# Altium PCB cheriot-test.PcbDoc (part 12 of 12) (continued)
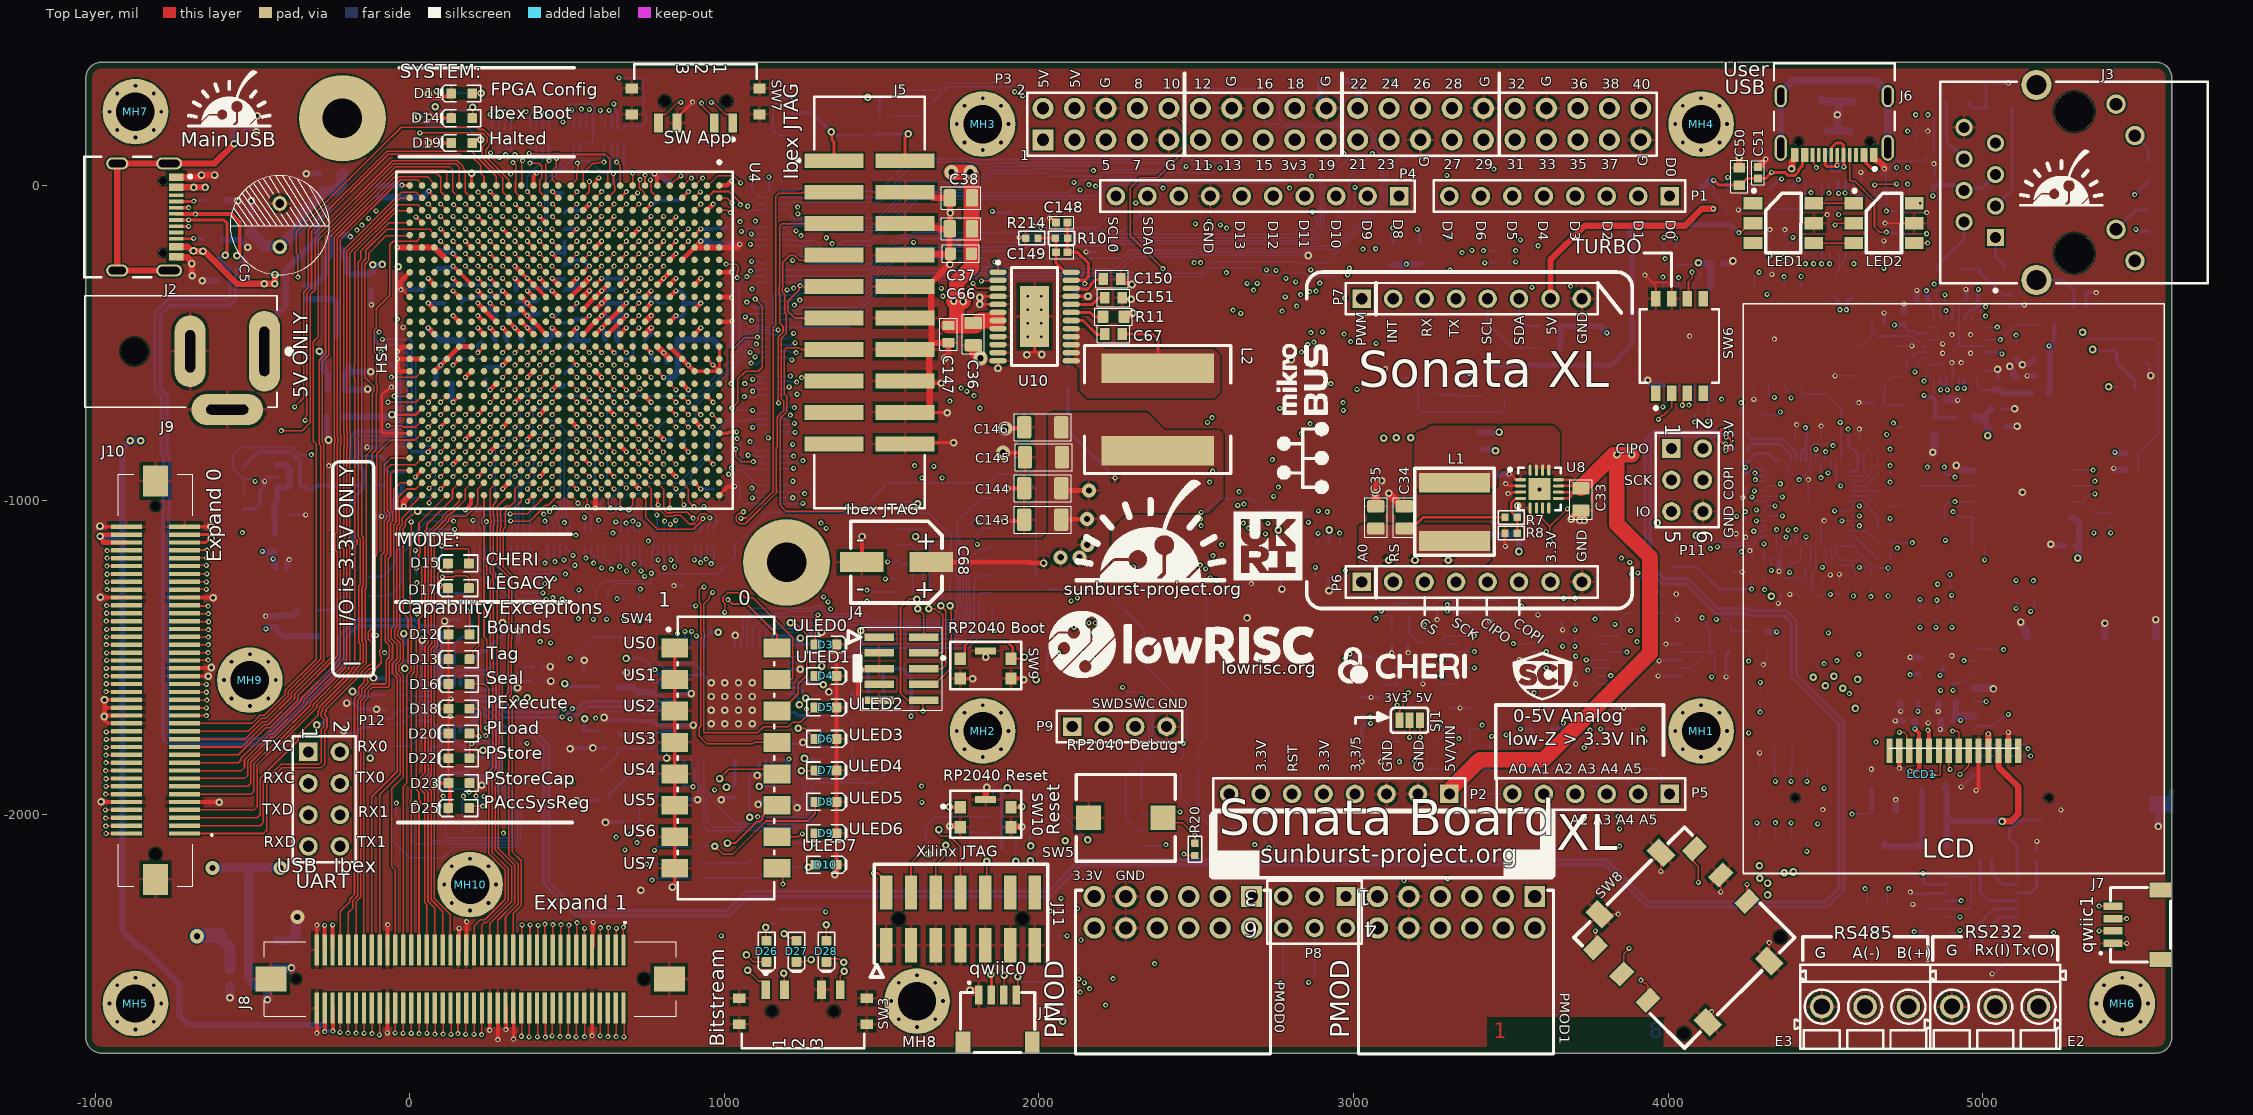
[diagram p0: Top Layer view]
## Nets (pads, with @x,y where several pads share a name; then routed paths per layer and width w, separated by ;. In a path a pad name is that pad's centre, name@x,y a point inside that pad or via, vN(x,y) a via of type N, cw(c..) or ccw(c..) an arc to the next point about the centre after c; other vN are vias at no path point) (continued)
  Int6 (Sign) w25: 495,-230 495,-11.37 639.37,133 993,133 1163.5,303.5 1380.5,303.5 1718,-34 2000.05,-34 2054.77,-88.73 2611.73,-88.73 2635.92,-112.92 2635.92,-321.94 2644.72,-330.74 2766,-452 2766,-582 2986.12,-802.12 3096,-802.12 v2(3135.96,-802.12) v2(3181.96,-802.12)
  Bottom Layer w5: U13.9@4615.55,-212.13 4642.49,-212.13 4668.39,-238.03 C53.1@4685.98,-238.03 v1(4685.98,-263.63) ; v1(4760.8,57.21) 4760.8,56.58 4765.67,51.71 4765.67,50.24 R30.2@4765.67,32.4 ; v1(4760.84,4.56) 4760.84,4.22 4765.67,-0.61 4765.67,-2.07 R32.2@4765.67,-19.92 ; U6.25@4844.64,-426.41 4844.64,-397.51
  Bottom Layer w8: C133.1@4825.53,-361.53 4834.13,-370.13 4834.13,-386.99 4844.64,-397.51
  Bottom Layer w10: C132.1@4750.98,-439.92 4750.98,-448.98 4765.64,-463.63 4783.24,-463.63 4790.31,-470.71 U6.23@4820.03,-470.71 ; U6.30@4943.07,-426.41 4943.07,-415.8 4948.04,-410.82 4948.04,-409.12 4966.66,-390.51 4978.24,-390.51 4984.09,-384.65 C131.1@4984.09,-359.92 ; U6.5@5007.05,-529.76 5055.83,-529.76 v1(5060.98,-534.92)
  Bottom Layer w12: -270.77,-2668.23 -270.77,-2688.23 v1(-270,-2689) ; v1@-268.77,-2687.23 -244.77,-2687.23 v1(-244,-2688) ; v1@610,-297 611.72,-295.28 v1(688.98,-295.28) ; v1(767.72,-531.5) 768.48,-532.26 768.48,-548.48 774.11,-554.11 774.11,-557.4 778.71,-562 C18.1@782,-562 ; v1@773,-59 784.76,-47.24 C20.1@826.77,-47.24 858.27,-47.24 884.52,-20.99 884.52,-20.52 v1@884,-20 ; v1@925,-136 925,-136.52 927.04,-138.56 961.29,-138.56 C15.1@962.66,-139.93 966.41,-136.19 1002.81,-136.19 C19.1@1009,-130 ; v1(4718.94,-443.4) 4719.7,-442.64 4744.79,-442.64 C132.1@4749.31,-438.11 ; C131.1@4984.09,-359.92 4984.09,-332.89 4985.98,-331 v1(4985.98,-329.92)
  Bottom Layer w15: v1@337,-298 337.79,-298.79 C16.1@337.79,-332.87 ; C17.1@492.13,-333.07 495.42,-329.78 521.21,-329.78 530,-320.99 530,-303 v1@531,-302 ; v1(5210.98,-509.92) 5210.98,-509.65 5226.77,-493.86 R211.1@5226.77,-442.6
  Bottom Layer w20: v2@-982,-1118 -932,-1118 -914,-1136 ; v2(-855,-811) v2(-888,-811) -914,-837 -914,-1136 ; -270.77,-2668.23 -701.77,-2668.23 -732,-2638 -732,-2539 -848,-2423 -860,-2423 -914,-2369 -914,-1136 ; v1(4820.87,-334.27) 4822.93,-336.33 4822.93,-358.94 C133.1@4825.53,-361.53 ; L8.1@5209.72,-659.92 5209.72,-654.41 5213.54,-650.59 C123.1@5213.54,-554.92 5213.54,-512.48 v1(5210.98,-509.92)
VCC_1V8A: C124.1 C128.1 L8.2 U6.9 | length 204.1
  Bottom Layer w5: U6.9@4982.44,-613.43 4982.44,-636.38 4995.98,-649.92 5034.76,-649.92
  Bottom Layer w20: 5034.76,-649.92 5049.09,-649.92 C128.1@5050.98,-648.03 5062.87,-659.92 L8.2@5152.24,-659.92
VCCINT: C6.1 C7.1 C8.1 C9.1 C10.1 C11.1 C12.1 C13.1 C68.1 C143.1 C144.1 C145.1 C146.1 C159.1 C160.1 C161.1 L2.2 R9.1 U4.J11 U4.J13 U4.K10 U4.K12 U4.L11 U4.L13 U4.M10 U4.N13 U4.P10 U4.R13 U4.T10 U4.T12 U4.U11 U4.U13 U4.V10 U4.V12 U4.W13 | length 2406.3
  Top Layer w15: v1(255.91,-452.76) U4.W13@275.59,-472.44 ; v1(295.28,-334.65) U4.V10@314.96,-354.33 ; U4.V12@314.96,-433.07 v1(334.65,-452.76) U4.U13@354.33,-472.44 ; U4.U11@354.33,-393.7 v1(374.02,-413.39) U4.T12@393.7,-433.07 U4.R13@433.07,-472.44 ; v1(374.02,-334.65) U4.T10@393.7,-354.33 ; v1(452.5,-334.65) 452.63,-334.65 472.31,-354.33 U4.P10@472.44,-354.33 ; U4.N13@511.81,-472.44 v1(531.5,-452.76) ; U4.L13@590.55,-472.44 v1(610.24,-452.76) v1(688.98,-374.02) ; U4.L11@590.55,-393.7 v1(610.24,-374.02) U4.K10@629.92,-354.33 ; U4.J13@669.29,-472.44 v1(688.98,-452.76) ; C68.1@1657.36,-1197.13 1973,-1197.13 1975.87,-1200 v2(2015,-1200) ; C143.1@2071.18,-1062.13 2072.31,-1061 v4@2150,-1061 ; C144.1@2071.18,-962.13 2078.7,-969.65 v4(2158.92,-969.65)
  Top Layer w20: U4.M10@551.18,-354.33 v1(570.87,-334.65)
  Bottom Layer w10: C13.1@100.56,-318 128.99,-318 130.34,-316.65 277.28,-316.65 294.63,-334 v1@296,-334 ; v1@688,-374 v1(688.98,-374.02) 706.98,-356.02 775.17,-356.02 785.72,-366.56 785.72,-368.16 791.57,-374.02 C12.1@816.58,-374.02 ; R9.1@2092.13,-645.59 2092.13,-779.13 v1(2242,-929)
  Bottom Layer w12: C161.1@165.35,-374.02 165.35,-370.08 174.12,-361.31 202.37,-361.31 210.04,-353.65 276.28,-353.65 v1(295.28,-334.65) ; v1@374,-336 374,-335.74 384.21,-325.53 C9.1@410.48,-325.53 443.53,-325.53 v1@454,-336 ; C10.1@491.99,-518.4 517.39,-493 530.45,-493 544,-493
  Bottom Layer w15: v1@254,-450 268.16,-464.16 268.16,-487.94 C7.1@273.26,-493.04 ; v1@335,-456 337,-456 352.48,-471.48 352.48,-486.57 C160.1@359.75,-493.83 ; v1@374,-412 376.41,-409.59 407.16,-409.59 C6.1@411.51,-405.24 ; 530.45,-493 530.45,-454.07 531.3,-453.22 v1@531.17,-453.08 ; 544,-493 568.42,-493 C8.1@570.87,-490.55 ; v1(610.24,-452.76) 610.24,-453.03 618.77,-461.56 618.77,-487.77 C159.1@622,-491 ; v1@613,-375 613.98,-374.02 v1@688,-374.02
  other v4: 2069,-1182 2129,-1182 2154,-1142 2153,-1060
VCCINT_SCL: R216.2 U10.3 U11.30 | length 6185.2
  Top Layer w5: v1(1791,-311) 1791,-313.98 1797.78,-320.76 1797.78,-322.6 1801.32,-326.14 1869.44,-326.14 U10.3@1870.08,-326.77
  Int1 (Sign) w5: v1(1791,-311) 1791,-174 1930,-35 1930,101.71 1933.09,104.8 1933.09,258.91 1911,281 1911,286 v1(1923,298)
  Int6 (Sign) w5: v1(1923,298) 1923,318 1951.75,346.75 ; 1952,346.5 3897.91,346.5 3908.41,336 3909,336 3992.89,252.11 3992.89,106.25 4090,9.14 4090,-44 4143.93,-97.93 4151.07,-97.93 4250.14,-197 4574.27,-197 4580.14,-202.86 4640.98,-263.71 4640.98,-1088.05 4583.03,-1146 4507.1,-1146 4452.05,-1201.05 ; v1(4134,-1154) 4134,-1217 4288,-1371 4405,-1371 4453,-1323 4453,-1202
  Bottom Layer w5: R216.2@1532.81,221.13 1617.13,221.13 1710,314 1902,314 1903.98,312.02 1908.98,312.02 v1(1923,298) ; v1(4134,-1154) 4131.9,-1151.9 4131.9,-1146.75 4131.07,-1145.93 4143.84,-1133.16 4175.48,-1133.16 4180.98,-1138.66 4206.4,-1138.66 4210.14,-1134.92 4258,-1134.92 4285.93,-1107 4285.93,-1105.88 4290.32,-1101.48 4293.05,-1101.48 4297.36,-1097.17 U11.30@4310.16,-1097.17
VCCINT_SDA: R215.2 U10.2 U11.29 | length 6014.8
  Top Layer w5: v1(1817,-303) 1817.91,-302.09 1869.17,-302.09 U10.2@1870.08,-301.18
  Int1 (Sign) w5: v1(1817,-303) 1817,-179 1948,-48 v1(1948,285)
  Int6 (Sign) w5: v1@1947,287 1948,288 1948,316 1959,327 3110.08,327 3121.58,315.5 3134.42,315.5 3135.95,317.03 3913.24,317.03 3982.89,247.37 3982.89,102.11 4079.65,5.35 4079.65,-40.65 4080,-41 4080,-48.14 4186.79,-154.93 4193.93,-154.93 4246.06,-207.06 4570.19,-207.06 4630.98,-267.85 4630.98,-1083.91 4578.89,-1136 4501.83,-1136 4442.91,-1194.91 ; v1(4156.48,-1148.66) 4155.98,-1149.16 4155.98,-1219.98 4296,-1360 4397,-1360 4442,-1315 4442,-1194.91
  Bottom Layer w5: R215.2@1532.81,281.13 1554.69,303 1684.86,303 1707.86,326 1934,326 1948,312 1948,288 v1@1949,287 ; v1(4156.48,-1148.66) 4210.54,-1148.66 4214.28,-1144.92 4265.36,-1144.92 4295.93,-1114.36 4308.72,-1114.36 U11.29@4310.16,-1112.92
VCCOPAMP: C97.1 C99.1 C101.1 C102.1 R82.2 U20.4 U21.4 U21.10 U21.12 | length 2066.9
  Int3 (Sign) w20: v1(3279.44,-1507.29) 3419.52,-1507.29 3442.52,-1530.29 3582.59,-1530.29 3603,-1509.88 3616.87,-1509.88 3630.54,-1496.21 v1(3705.98,-1496.21) 3785.92,-1496.21 ; v1(4107.98,-1373.92) 4082.17,-1348.11 3833.07,-1348.11 3797.64,-1383.54 3797.64,-1484.5 3785.92,-1496.21 ; v1(4137.87,-1562.11) 4036.4,-1562.11 4006.3,-1592.2 3915.75,-1592.2 3819.75,-1496.21 3785.92,-1496.21
  Bottom Layer w5: v1(3190.98,-1527.92) 3193.96,-1527.92 3199.76,-1522.13 C97.1@3220.17,-1522.13 3264.6,-1522.13 v1(3279.44,-1507.29) U20.4@3331.81,-1507.29 ; C99.1@3705.98,-1521.81 v1(3705.98,-1496.21) ; v1(3739.63,-1507.77) U21.4@3812.56,-1507.77 ; U21.12@4040.91,-1533.36 4073.39,-1533.36 4110.53,-1496.22 4126.49,-1496.22 4138.76,-1483.95 C101.1@4138.76,-1480.02 ; U21.10@4040.91,-1482.18 4136.6,-1482.18 C101.1@4138.76,-1480.02 ; v1(4107.98,-1373.92) 4121.73,-1387.67 4121.73,-1405.18 R82.2@4132.52,-1415.97 4132.52,-1473.78 C101.1@4138.76,-1480.02 ; v1(4137.87,-1562.11) 4140.69,-1562.11 4147.87,-1554.92 4147.87,-1489.13 C101.1@4138.76,-1480.02
VCCUSB3V3: C40.1 C41.1 C42.1 C43.1 C44.1 C45.1 C46.1 R15.1 R18.1 R72.2 R203.2 R215.1 R216.1 U2.2 U2.4 U12.1 U12.9 U12.18 | length 15858.7
  Int1 (Sign) w8: v4(-411,-2169) -464,-2169 -492,-2197 -492,-2393 -475,-2410 -291,-2410 -93,-2608 741,-2608 847,-2714 1771,-2714 1907,-2578 2120.96,-2578 2123.96,-2581 2138.04,-2581 2141.04,-2578 4308,-2578 4463,-2423 4463,-2287 4572,-2178 4738,-2178 4827,-2267 4827,-2362 4849.8,-2384.8 5000.2,-2384.8 5008,-2377 5008,-2155 4426,-1573 4426,-1529.04 4526,-1429.04 4526,-1391 4483.29,-1348.29 4332.98,-1348.29 4328.29,-1343.6 v2(4328.29,-1305.74)
  Int6 (Sign) w5: v2@1460,284 1504,328 1866,328 1928.02,265.98 1930,264 1960,264 2001.5,305.5 3138.56,305.5 3140.09,307.03 3723.24,307.03 3769.1,261.17 3769.1,231.16 3804.09,196.16 3834.1,196.16 3872.03,158.24 3872.03,105.06 3959.06,18.03 3959.06,-68.58 3978.74,-88.27 4098.98,-88.27 4268.53,-257.81 4268.53,-278.54 4329.87,-339.87 4329.87,-456.4 4353.38,-479.91 4353.38,-687.52 4356.48,-690.63 v1(4356.48,-719.92)
  Int6 (Sign) w8: v2(4328.29,-1305.74) 4328.55,-1305.74 4345.39,-1288.9 4351.05,-1288.9 4418,-1221.95 4418,-1187 4478.98,-1126.02 4478.98,-1013.02 4525.23,-966.77 4525.23,-900.91 4515.31,-891 4475,-891 4356.48,-772.48 v1(4356.48,-719.92)
  Int6 (Sign) w10: v4@-415,-2170 -411,-2166 -410,-2165 -410,-1764
  Int6 (Sign) w30: -41,-1813 -15,-1787 v2(-15,-1535)
  Int6 (Sign) w35: v4(-411,-2169) -411,-2166 -411,-1765 -410,-1764 -354,-1708 v2@-296,-1708 ; v2(-295.16,-1714.84) -285.84,-1714.84 -256,-1685 -155,-1685 -126,-1714 v2@-126,-1820 ; v2(-125,-1820) 199,-1820 ; 201,-1820 208,-1820 v2(233.14,-1794.86) 270.14,-1794.86 337,-1728 337,-1637 v2@333,-1633
  Bottom Layer w5: R15.1@4298.74,-728.43 4354.5,-728.43 4354.5,-721.9 v1(4356.48,-719.92)
  Bottom Layer w8: C43.1@37.97,-1512.03 37.97,-1598.28 42.65,-1602.97 U12.18@57.09,-1602.97 ; U12.1@205.89,-1602.97 C44.1@276.89,-1602.97 ; C44.1@276.89,-1605 276.89,-1626.89 303.54,-1653.54 R203.2@331.46,-1653.54 ; R203.2@334.65,-1653.54 335.72,-1652.47 335.72,-1631.82 v2(336.79,-1630.75) ; v2(1456,280) 1457.13,281.13 R215.1@1493.44,281.13 ; R216.1@1493.44,221.13 1493.44,278.44 R215.1@1495,280
  Bottom Layer w10: v2(-295.16,-1714.84) -291.37,-1714.84 -286.21,-1709.69 -276.18,-1709.69 -263.46,-1696.97 R72.2@-263.46,-1695 ; v2(-125,-1820) -121.34,-1816.34 R18.1@-121.34,-1782.13 ; v2(-15,-1535) -15,-1512.97 C42.1@-16.08,-1511.9 -14.59,-1510.41 34.59,-1510.41 C43.1@35,-1510 ; U12.9@141.61,-1726.29 141.61,-1761.61 160,-1780 170,-1780 176.42,-1786.42 176.42,-1806.42 C46.1@180,-1810 ; C46.1@182.13,-1814.02 184.9,-1816.79 C45.1@233.14,-1816.79 ; v2(233.14,-1794.86) C45.1@233.14,-1816.79 ; C45.1@233.21,-1816.79 C45.1@233.14,-1816.79 ; C45.1@234,-1819.44 233.14,-1818.58 C45.1@233.14,-1816.79
  Bottom Layer w30: v4(-627,-2169) U2.4@-511.81,-2169 ; U2.2@-511.81,-2403.81 -511.81,-2519.92 C40.1@-486.77,-2544.96 ; U2.2@-511.81,-2398.62 -511.81,-2180.81 U2.4@-511,-2180 ; U2.4@-511,-2169 -425,-2169 v4@-424,-2168
XADC_VREF_N: C60.2 C140.2 R195.2 U4.N11 | length 1556.7
  Top Layer w6: U4.N11@511.81,-393.7 v1(531.5,-374.02)
  Int3 (Sign) w6: v1@-87,-488 486,-488 504,-470 504,-401.51 v1(531.5,-374.02)
  Bottom Layer w8: v1(-87,-489) 1.31,-489 6,-493.69 6,-810.31 1.31,-815 -20.82,-815 -25.68,-810.14 -149.45,-810.14 -159,-819.69 -159,-852 -150,-861 -91,-861 -77.91,-874.09 C60.2@-77.91,-901.66 -69.31,-910.26 -48.2,-910.26 -47.46,-911 R195.2@-16,-911 ; C140.2@520.54,-396.18 529,-387.72 v1@529,-377
XADC_VREF_P: C60.1 C140.1 U4.P12 U14.2 | length 1544
  Top Layer w8: v1(452.5,-413.39) 452.63,-413.39 472.31,-433.07 U4.P12@472.44,-433.07
  Int3 (Sign) w6: v1@-101,-466 v1(-97,-466) -94.29,-466 -87.29,-473 -80.37,-473 -76.37,-477 468,-477 481,-464 481,-420 474.39,-413.39 v1(452.5,-413.39)
  Bottom Layer w8: C60.1@-115,-905 -115,-935 -96.18,-953.82 U14.2@-73.65,-953.82 ; C60.1@-114.13,-901.66 -114.13,-879.87 -120,-874 -158,-874 -172,-860 -172,-806.69 -162.45,-797.14 -20.3,-797.14 -18.31,-799.12 -11.69,-799.12 -7,-794.43 -7,-528 -29,-506 -101.31,-506 -106,-501.31 -106,-475 v1(-97,-466) ; v1@451,-415 451.23,-414.77 465.73,-414.77 C140.1@484.32,-396.18
pads on no net: C33.0 C34.0 C35.0 C36.0 C37.0 C38.0 C66.0 C143.0 C144.0 C145.0 C146.0 D3.0 D4.0 D5.0 D6.0 D7.0 D8.0 D9.0 D10.0 D11.0 D12.0 D13.0 D14.0 D15.0 D16.0 D17.0 D18.0 D19.0 D20.0 D22.0 D23.0 D25.0 D26.0 D27.0 D28.0 HS1.MH1 HS1.MH2 J1.5 J1.6 J2. J2.A8 J2.B8 J3. J3.7 J4.7 J5.17 J5.19 J6. J6.A8 J6.B8 J7.5 J7.6 J8.MH1 J8.MH2 J9.None J10.MH1 J10.MH2 J11.12 J11.14 J11.MH1 J11.MH2 LCD1.1 LCD1.14 LCD1.MH1 LCD1.MH2 LED1.1 LED1.3 MH1.1 MH2.1 MH3.1 MH4.1 MH5.1 MH6.1 MH7.1 MH8.1 MH9.1 MH10.1 P2.8 P4.8 R1.0 R2.0 R3.0 R4.0 R5.0 R6.0 R7.0 R8.0 R9.0 R10.0 R11.0 R12.0 R13.0 R14.0 R15.0 R16.0 R17.0 R18.0 R19.0 R20.0 R21.0 R22.0 R23.0 R24.0 R25.0 R26.0 R27.0 R28.0 R29.0 R30.0 R31.0 R32.0 R33.0 R34.0 R35.0 R36.0 R37.0 R38.0 R39.0 R40.0 R41.0 R42.0 R43.0 R44.0 R45.0 R46.0 R47.0 R48.0 R49.0 R50.0 R51.0 R52.0 R53.0 R54.0 R55.0 R56.0 R57.0 R58.0 R59.0 R60.0 R61.0 R62.0 R63.0 R64.0 R65.0 R66.0 R67.0 R68.0 R69.0 R70.0 R71.0 R72.0 R73.0 R74.0 R75.0 R76.0 R77.0 R78.0 R79.0 R80.0 R81.0 R82.0 R83.0 R84.0 R85.0 R86.0 R87.0 R88.0 R89.0 R90.0 R91.0 R92.0 R93.0 R94.0 R95.0 R96.0 R97.0 R98.0 R99.0 R100.0 R101.0 R102.0 R103.0 R104.0 R105.0 R106.0 R107.0 R108.0 R109.0 R110.0 R111.0 R112.0 R113.0 R114.0 R115.0 R116.0 R117.0 R118.0 R119.0 R120.0 R121.0 R122.0 R123.0 R124.0 R125.0 R126.0 R127.0 R128.0 R129.0 R130.0 R131.0 R132.0 R133.0 R134.0 R135.0 R136.0 R137.0 R138.0 R139.0 R140.0 R141.0 R142.0 R143.0 R144.0 R145.0 R146.0 R147.0 R148.0 R149.0 R150.0 R151.0 R153.0 R154.0 R155.0 R156.0 R157.0 R158.0 R159.0 R160.0 R161.0 R162.0 R163.0 R164.0 R165.0 R166.0 R167.0 R168.0 R169.0 R171.0 R184.4A R184.4B R186.0 R187.0 R192.0 R193.0 R195.0 R196.0 R197.0 R198.0 R199.0 R200.0 R201.0 R202.0 R203.0 R204.0 R205.0 R206.0 R207.0 R208.0 R209.0 R210.0 R211.0 R212.0 R213.0 R214.0 R215.0 R216.0 SW3. SW6.1 SW6.4 SW6.5 SW7. SW8.MH1 SW8.MH2 U4.A4 U4.A5 U4.A7 U4.A9 U4.A11 U4.A13 U4.A17 U4.A18 U4.A19 U4.A22 U4.A23 U4.A24 U4.A25 U4.AA10 U4.AA11 U4.AA12 U4.AA13 U4.AA15 U4.AA17 U4.AA18 U4.AB11 U4.AB13 U4.AB16 U4.AB17 U4.AC8 U4.AC9 U4.AC10 U4.AC11 U4.AC12 U4.AC13 U4.AC14 U4.AC16 U4.AC17 U4.AD7 U4.AD8 U4.AD10 U4.AD12 U4.AD14 U4.AD15 U4.AD17 U4.AE7 U4.AE8 U4.AE9 U4.AE10 U4.AE11 U4.AE12 U4.AE13 U4.AE14 U4.AE17 U4.AE22 U4.AF7 U4.AF9 U4.AF11 U4.AF13 U4.AF17 U4.AF19 U4.AF20 U4.AF22 U4.B4 U4.B5 U4.B7 U4.B8 U4.B9 U4.B10 U4.B11 U4.B12 U4.B13 U4.B14 U4.B17 U4.B19 U4.B21 U4.B22 U4.B24 U4.B25 U4.B26 U4.C4 U4.C7 U4.C8 U4.C10 U4.C12 U4.C14 U4.C15 U4.C17 U4.C18 U4.C21 U4.C22 U4.C23 U4.C24 U4.C26 U4.D3 U4.D4 U4.D8 U4.D9 U4.D10 U4.D11 U4.D12 U4.D13 U4.D14 U4.D16 U4.D21 U4.D23 U4.D24 U4.E2 U4.E3 U4.E11 U4.E13 U4.E16 U4.E21 U4.E22 U4.F3 U4.F10 U4.F11 U4.F12 U4.F13 U4.F15 U4.F17 U4.F18 U4.F19 U4.F20 U4.G15 U4.G17 U4.G19 U4.H4 U4.H14 U4.H15 U4.H17 U4.J4 U4.K6 U4.N12 U4.P11 U4.R11 U4.R12 U4.W14 U4.W15 U4.W16 U4.Y15 U4.Y16 U4.Y17 U4.Y18 U5.21 U5.22 U5.23 U5.24 U5.36 U5.40 U5.41 U5.43 U5.44 U5.45 U5.46 U5.53 U5.54 U5.55 U5.57 U5.58 U5.59 U5.60 U6.2 U6.6 U6.7 U6.10 U7.10 U8.6 U8.8 U8.16 U12.6 U12.8 U12.12 U21.8 U21.14 U23.1 U23.3

## Polygon pours and split planes (outlines as drawn)
GND on Top Layer "GND_L01_P025" (solid, pour order 25): -781.24,1018.17 -521.26,758.19 6013,758.19 6013,-2525 4869.75,-3668.25 4277.95,-3076.46 -1168,-3076.46 -1168,444.69
3V3_FTDI on Top Layer "SMPS_POLY_3V3" (solid, pour order 23): 3017,-1085 3024,-1078 3430,-1078 3436,-1084 3436,-1190 3416,-1210 3025,-1210 3015,-1200
NetL1_1 on Top Layer "SMPS_POLY_NETL1_1" (solid, pour order 24): 3236,-772 3245,-763 3634,-763 3655,-784 3655,-900 3472,-900 3456,-916 3456,-952 3445,-963 3201,-963 3193,-955 3193,-794 3204,-783
NetC67_2 on Top Layer "SMPS_POLY_NETL2" (solid, pour order 19): 2119,-456 2110.57,-454 2146,-454 2213,-521 2556,-521 2576,-541 2576,-657 2557,-676 2155,-676 2129,-650 2129,-584 2110.57,-565.57
VCCINT on Top Layer "SMPS_POLY_VCCINT" (solid, pour order 22): 2043,-722 2344,-722 2400,-778 2575,-778 2586,-789 2586,-994 2540,-1040 2277,-1040 2224,-1093 2224,-1238 2174,-1288 1651,-1288 1651,-1133 1659,-1125 1660,-1126 2010,-1126 2030,-1106 2030,-730 2031,-729
GND on Bottom Layer "GND_L08_P028" (solid, pour order 28): -609.47,996 -300.79,687.32 5819,687.32 5819,-2864 5598.67,-3084.33 -1343,-3084.33 -1343,276.06
VCC1V8 on Bottom Layer "NONET_L-01_P-001" (solid, pour order 27): -57,-246 -29,-218 586,-218 840,36 1043,36 1043,35 1066,12 1066,-521 1012,-575 576,-575 532,-531 76,-531 -37,-418 -58,-418 -58,-319 -63,-314
VCCUSB3V3 on Bottom Layer "NONET_L-01_P-001" (solid, pour order 26): -871,-1807 -446,-1807 -385,-1868 -385,-2120 -322,-2183 -152,-2183 -152,-2261 -180,-2289 -447,-2289 -471,-2313 -471,-2412 -539,-2412 -556,-2395 -556,-2305 -875,-2305 -914,-2266 -914,-1821 -912,-1819
VCC1V8 on Bottom Layer "NONET_L-01_P-001" (solid, pour order 20): 2829,-692 2832,-689 3054,-689 3112,-747 3356,-747 3356,-970 3374,-988 3375,-987 3408,-987 3408,-1047 3409,-1048 3404,-1053 3352,-1053 3259,-1146 3259,-1191 3237,-1191 3211,-1217 3027,-1217 2985,-1175 2985,-1013 2902,-930 2593,-930 2570,-907 2570,-698
VCCINT on Int6 (Sign) "VCCINT_L07_P021" (solid, remove dead copper, pour order 21): 253,-314 303,-264 1476,-264 1788,-576 2473,-576 2635,-738 2635,-1104 2498,-1241 1671,-1241 1652,-1222 1652,-1064 1636,-1064 1496,-924 1079,-924 955,-800 825,-800 658,-633 593,-633 593,-622 496,-525 212,-525 145,-458 145,-349
3V3_FTDI on Int5 (PWR) "3V3_FTDI_L06_P018" (solid, pour order 18): -1116.51,1282.58 -418.9,584.96 5902,584.96 5902,-2598 5128.31,-3371.69 4553.54,-2796.93 -1259.73,-2796.93
GND on Int2 (GND) "GND_L03_P006" (solid, pour order 6): -1134,510.16 5791,510.16 5791,-2952 -1095,-2952 -1134,-2913

## Other copper
Top Layer:
  pour cut-out: 3991,-2642 3993,-2644 3986,-2651 3986,-2742 3427,-2742 3424,-2739 3424,-2642
  pour cut-out: -9,11 -5,7 989,7 989,-958 956,-991 -5,-991
  text "1" at 3443.5,-2710.13 h50
Int1 (Sign):
  text "2" at 3510.43,-2710.13 h50
Int3 (Sign):
  text "4" at 3652.16,-2710.13 h50
Int4 (Sign):
  text "5" at 3726.96,-2710.13 h50
Int6 (Sign):
  text "7" at 3868.69,-2710.13 h50
Int2 (GND):
  pour cut-out: 3427.56,-2647.32 3982.68,-2647.32 3982.68,-2733.94 3986.61,-2737.87 3978.74,-2745.75 3427.56,-2745.75
  text "3" at 3581.29,-2710.13 h50
Int5 (PWR):
  pour cut-out: 3431.5,-2643.39 3986.61,-2643.39 3994.49,-2651.26 3994.49,-2745.75 3431.5,-2745.75 3427.56,-2741.81
  text "6" at 3801.76,-2710.13 h50
Bottom Layer:
  pour cut-out: 3434,-2646 3985,-2646 3992,-2653 3992,-2744 3432,-2744 3431,-2745
  text "8" at 3939.56,-2710.13 h50

## Silkscreen, mask and mechanical layers (free items; w line width, h text height)
Top Overlay:
  drawing of 135 lines, arcs and shapes, not listed
  text "3" at 833.37,387.72 h70 r270
  text "2" at 892.76,387.72 h70 r270
  text "1" at 952.76,387.72 h70 r270
  text "User" at 4175.59,329.76 h80
  text "SYSTEM:" at -31.87,325.97 h74.8
  text "G" at 2627.99,313.87 h32 r90
  text "G" at 2927.99,313.87 h32 r90
  text "G" at 3627.99,313.87 h32 r90
  text "G" at 3433.31,311.5 h32 r90
  text "5V" at 2031.93,309.01 h32 r90
  text "5V" at 2131.93,309.01 h32 r90
  text "G" at 2225.98,308.75 h32 r90
  text "8" at 2303.7,307.56 h32
  text "10" at 2394.25,307.56 h32
  text "12" at 2492.68,307.56 h32
  text "16" at 2689.53,307.56 h32
  text "18" at 2787.95,307.56 h32
  text "22" at 2989.53,307.56 h32
  text "24" at 3089.53,307.56 h32
  text "26" at 3189.53,307.56 h32
  text "28" at 3289.53,307.56 h32
  text "32" at 3489.53,307.56 h32
  text "36" at 3689.53,307.56 h32
  text "38" at 3789.53,307.56 h32
  text "USB" at 4179.53,274.64 h80
  text "FPGA Config" at 258.13,270.76 h70
  text "Ibex Boot" at 253.13,195.88 h70
  text "SW App" at 807.09,118.06 h70
  text "Halted" at 253.13,115.88 h70
  text "Main USB" at -728,106.7 h80
  text "D0" at 3993.82,89.07 h32 r270
  text "G" at 3240.39,57.57 h32 r90
  text "21" at 2986.38,51.65 h32
  text "23" at 3075.35,51.65 h32
  text "27" at 3286.38,51.65 h32
  text "29" at 3386.38,51.65 h32
  text "31" at 3486.38,51.65 h32
  text "33" at 3586.38,51.65 h32
  text "35" at 3686.38,51.65 h32
  text "37" at 3786.38,51.65 h32
  text "5" at 2198.98,47.72 h32
  text "7" at 2298.98,47.72 h32
  text "G" at 2402.13,47.72 h32
  text "11" at 2492.68,47.72 h32
  text "13" at 2587.17,47.72 h32
  text "15" at 2687.17,47.72 h32
  text "3v3" at 2768.27,47.72 h32
  text "19" at 2886.38,47.72 h32
  text "Ibex JTAG" at 1251.43,17.87 h80 r90
  text "SCL0" at 2221.02,-98.77 h32 r270
  text "SDA0" at 2331.26,-98.77 h32 r270
  text "D10" at 2929.69,-108.53 h32 r270
  text "D8" at 3126.54,-107.63 h32 r270
  text "D11" at 2828.02,-108.98 h32 r270
  text "D0" at 3992.08,-109.16 h32 r270
  text "D1" at 3890.31,-110.42 h32 r270
  text "D9" at 3028.06,-110.86 h32 r270
  text "D7" at 3284.02,-111.57 h32 r270
  text "D6" at 3390.31,-111.57 h32 r270
  text "D5" at 3488.74,-111.57 h32 r270
  text "D4" at 3587.17,-111.57 h32 r270
  text "D3" at 3689.53,-111.57 h32 r270
  text "D2" at 3791.89,-111.57 h32 r270
  text "D13" at 2623.55,-112.37 h32 r270
  text "D12" at 2728.9,-112.47 h32 r270
  text "GND" at 2523.51,-113.45 h32 r270
  text "TURBO" at 3695.28,-233.24 h80
  text "5V" at 3646.27,-476.55 h32 r90
  text "RX" at 3247.87,-482.13 h32 r90
  text "TX" at 3336.46,-482.13 h32 r90
  text "INT" at 3139.61,-501.81 h32 r90
  text "GND" at 3742.99,-504.8 h32 r90
  text "SCL" at 3439.18,-506.47 h32 r90
  text "SDA" at 3542.53,-507.31 h32 r90
  text "PWM" at 3041.18,-511.65 h32 r90
  text "5V ONLY" at -308.7,-677 h80 r90
  text "Sonata XL" at 3014.84,-679.44 h196.85
  text "3.3V" at 4208.9,-848.03 h32 r90
  text "CIPO" at 3833.15,-852.28 h32
  text "SCK" at 3859.81,-952.28 h32
  text "COPI" at 4208.9,-1000.18 h32 r90
  text "IO" at 3897.13,-1052.28 h32
  text "Ibex JTAG" at 1387.57,-1059.53 h59.06
  text "GND" at 4208.9,-1120.58 h32 r90
  text "MODE:" at -42.5,-1162.54 h74.8
  text "A0" at 3044.49,-1197.1 h32 r90
  text "RS" at 3144.49,-1197.1 h32 r90
  text "GND" at 3741.34,-1197.1 h32 r90
  text "Expand 0" at -582.2,-1198 h80 r90
  text "3.3V" at 3644.02,-1199.99 h32 r90
  text "CHERI" at 242.5,-1222.58 h70
  text "LEGACY" at 242.5,-1297.58 h70
  text "sunburst-project.org" at 2078.84,-1315.88 h68.9
  text "0" at 1045,-1349.5 h80
  text "1" at 790,-1355 h80
  text "Capability Exceptions" at -38.19,-1377.34 h74.8
  text "SCK" at 3308.93,-1396.54 h32 r325
  text "CIPO" at 3399.93,-1396.54 h32 r325
  text "CS" at 3204.93,-1397.54 h32 r325
  text "COPI" at 3504.93,-1397.54 h32 r325
  text "I/O is 3.3V ONLY" at -162.31,-1404.01 h80 r90
  text "ULED0" at 1217.26,-1429.27 h65
  text "RP2040 Boot" at 1712.6,-1436.48 h60
  text "Bounds" at 244.47,-1438.66 h70
  text "US0" at 679.18,-1484.86 h65
  text "Tag" at 244.37,-1521.14 h70
  text "ULED1" at 1227.59,-1528.88 h65
  text "l" at -137.99,-1531.77 h100 r90
  text "lowrisc.org" at 2579,-1567.72 h68.9
  text "US1" at 679.18,-1587.23 h65
  text "Seal" at 242.83,-1600 h70
  text "3V3" at 3098.08,-1651.23 h50
  text "5V" at 3197.42,-1651.93 h50
  text "SWD" at 2169.84,-1660.94 h30
  text "SWC" at 2272.2,-1660.94 h30
  text "GND" at 2378.5,-1660.94 h30
  text "PExecute" at 245.13,-1677.51 h70
  text "ULED2" at 1395.16,-1678.84 h65
  text "US2" at 679.18,-1685.65 h65
  text "0-5V Analog" at 3508,-1719.7 h70.87
  text "PLoad" at 245.13,-1758.81 h70
  text "ULED3" at 1395.04,-1777.27 h65
  text "US3" at 679.18,-1788.01 h65
  text "low-Z > 3.3V In" at 3490,-1793.25 h70.87
  text "RP2040 Debug" at 2088.98,-1807.8 h59.06
  text "TXC" at -467.33,-1811.42 h59.06
  text "RX0" at -165.87,-1812.72 h59.06
  text "PStore" at 242.07,-1838.53 h70
  text "3.3V" at 2722.99,-1864.8 h32 r90
  text "RST" at 2822.99,-1864.8 h32 r90
  text "3.3V" at 2922.99,-1864.8 h32 r90
  text "3.3/5" at 3022.99,-1864.8 h32 r90
  text "GND" at 3122.99,-1864.8 h32 r90
  text "GND" at 3222.99,-1864.8 h32 r90
  text "5V/VIN" at 3322.99,-1864.8 h32 r90
  text "A0 A1 A2 A3 A4 A5" at 3492.99,-1869.8 h32
  text "ULED4" at 1394.15,-1875.69 h65
  text "US4" at 679.18,-1886.44 h65
  text "RP2040 Reset" at 1696.72,-1905.05 h60
  text "TX0" at -169.12,-1911.32 h59.06
  text "RXC" at -466.04,-1912.12 h59.06
  text "PStoreCap" at 236.7,-1918.32 h70
  text "ULED5" at 1394.96,-1978.05 h65
  text "US5" at 678.19,-1984.86 h65
  text "PAccSysReg" at 236,-1995.56 h70
  text "TXD" at -467.98,-2013.34 h59.06
  text "RX1" at -163.15,-2020.2 h59.06
  text "A2 A3 A4 A5" at 3689.53,-2031.02 h32
  text "Reset" at 2080.35,-2064.65 h70.87 r90
  text "ULED6" at 1394.8,-2076.48 h65
  text "US6" at 679.18,-2083.29 h65
  text "Sonata Board" at 2570.83,-2103.36 h196.85
  text "RXD" at -463.44,-2116 h59.06
  text "TX1" at -167.17,-2116.65 h59.06
  text "ULED7" at 1248,-2129.43 h65
  text "LCD" at 4807.64,-2137.32 h60
  text "Xilinx JTAG" at 1610,-2145.48 h60
  text "XL" at 3643.84,-2151.16 h196.85
  text "sunburst-project.org" at 2702.83,-2171.38 h98.43
  text "US7" at 679.18,-2185.65 h65
  text "USB" at -421.85,-2199.65 h80
  text "Ibex" at -241.85,-2199.7 h80
  text "3.3V" at 2106.85,-2208.19 h30
  text "GND" at 2244.65,-2208.19 h30
  text "UART" at -361.85,-2249.65 h80
  text "Expand 1" at 395,-2317.8 h80
  text "RS232" at 4943.31,-2406.33 h70.87
  text "RS485" at 4525.98,-2410.26 h70.87
  text "qwiic1" at 5364.72,-2440.16 h70.87 r90
  text "Rx(I)" at 4974.8,-2459.05 h59.06
  text "Tx(O)" at 5096.85,-2459.05 h59.06
  text "G" at 4884.25,-2461.66 h59.06
  text "G" at 4465.98,-2469.29 h59.06
  text "A(-)" at 4585.98,-2468.81 h59.06
  text "B(+)" at 4725.98,-2468.81 h59.06
  text "qwiic0" at 1778,-2522.54 h70.87
  text "PMOD" at 2985.98,-2709.92 h60 r90
  text "PMOD" at 2078.98,-2712.13 h60 r90
  text "Bitstream" at 1016.48,-2737.13 h80 r90
  text "1" at 1209.53,-2744.06 h70 r90
  text "2" at 1269.53,-2744.06 h70 r90
  text "3" at 1328.92,-2744.06 h70 r90
Bottom Overlay:
  drawing of 124 lines, arcs and shapes, not listed
  text "C" at 2581,-598 h450
  text "3V3" at 3127.47,-2228.54 h30
  text "GND" at 3226.18,-2228.09 h30
  text "3V3" at 2221.96,-2232.48 h30
  text "GND" at 2320.67,-2232.03 h30
  text "W" at 4581.1,-2537.09 h450
  text "The Sunburst project was funded by" at 4285.83,-2576.46 h32
  text "NewAE Technology Inc." at 915.56,-2578.69 h40
  text "Digital Security by Design (DSbD) and UKRI [grant number 107540]. For up to date information and support please visit sunburst-project.org" at 4285.83,-2625.94 h32
  text "lowRISC would like to thank Cambridge University / SRI for their work on CHERI and Microsoft for their work on CHERIoT." at 4282.38,-2687.93 h32
  text "PCB REV:" at 903.75,-2702.25 h50
  text ".PrjRev" at 498.24,-2706.19 h50
  text "p" at 78.74,-2755.91 h450
Mechanical 1:
  lines w12.01: -982.87,392.05 5550.79,392.05 cw(c5550.79,342.05) 5600.79,342.05 5600.79,-2707.56 cw(c5550.79,-2707.56) 5550.79,-2757.56 -977.87,-2757.56 ; -979.13,-2757.56 cw(c-979.13,-2707.56) -1029.13,-2707.56 -1029.13,-1261.5 -1029.13,342.05 cw(c-979.13,342.05) -979.13,392.05

## Text inside footprints (layer, text, board x,y; h text height)
C68: Top Overlay "-" at 1417.13,-1152.13 h60; Top Overlay "+" at 1602.13,-1312.13 h60; Top Overlay "+" at 1607.13,-1157.13 h60; Top Overlay "-" at 1417.13,-1307.13 h60
P3: Top Overlay "1" at 1941.29,79.66 h32; Top Overlay "2" at 1929.31,288.13 h32; Top Overlay "40" at 3888.19,305.43 h32; Top Overlay "G" at 3935.43,61.34 h32 r90
P8: Top Overlay "6" at 2695.98,-2339.92 h50 r180; Top Overlay "3" at 2695.98,-2239.92 h50 r180; Top Overlay "1" at 3055.98,-2239.92 h50 r180; Top Overlay "4" at 3075.98,-2339.92 h50 r180
P11: Top Overlay "1" at 3990.24,-755.91 h50 r270; Top Overlay "2" at 4090.24,-735.91 h50 r270; Top Overlay "5" at 3990.24,-1095.91 h50 r270; Top Overlay "6" at 4090.24,-1095.91 h50 r270
P12: Top Overlay "2" at -241.85,-1700.35 h50 r270; Top Overlay "1" at -341.85,-1720.35 h50 r270